# KiCad board AICORS_PCB.kicad_pcb (continued)
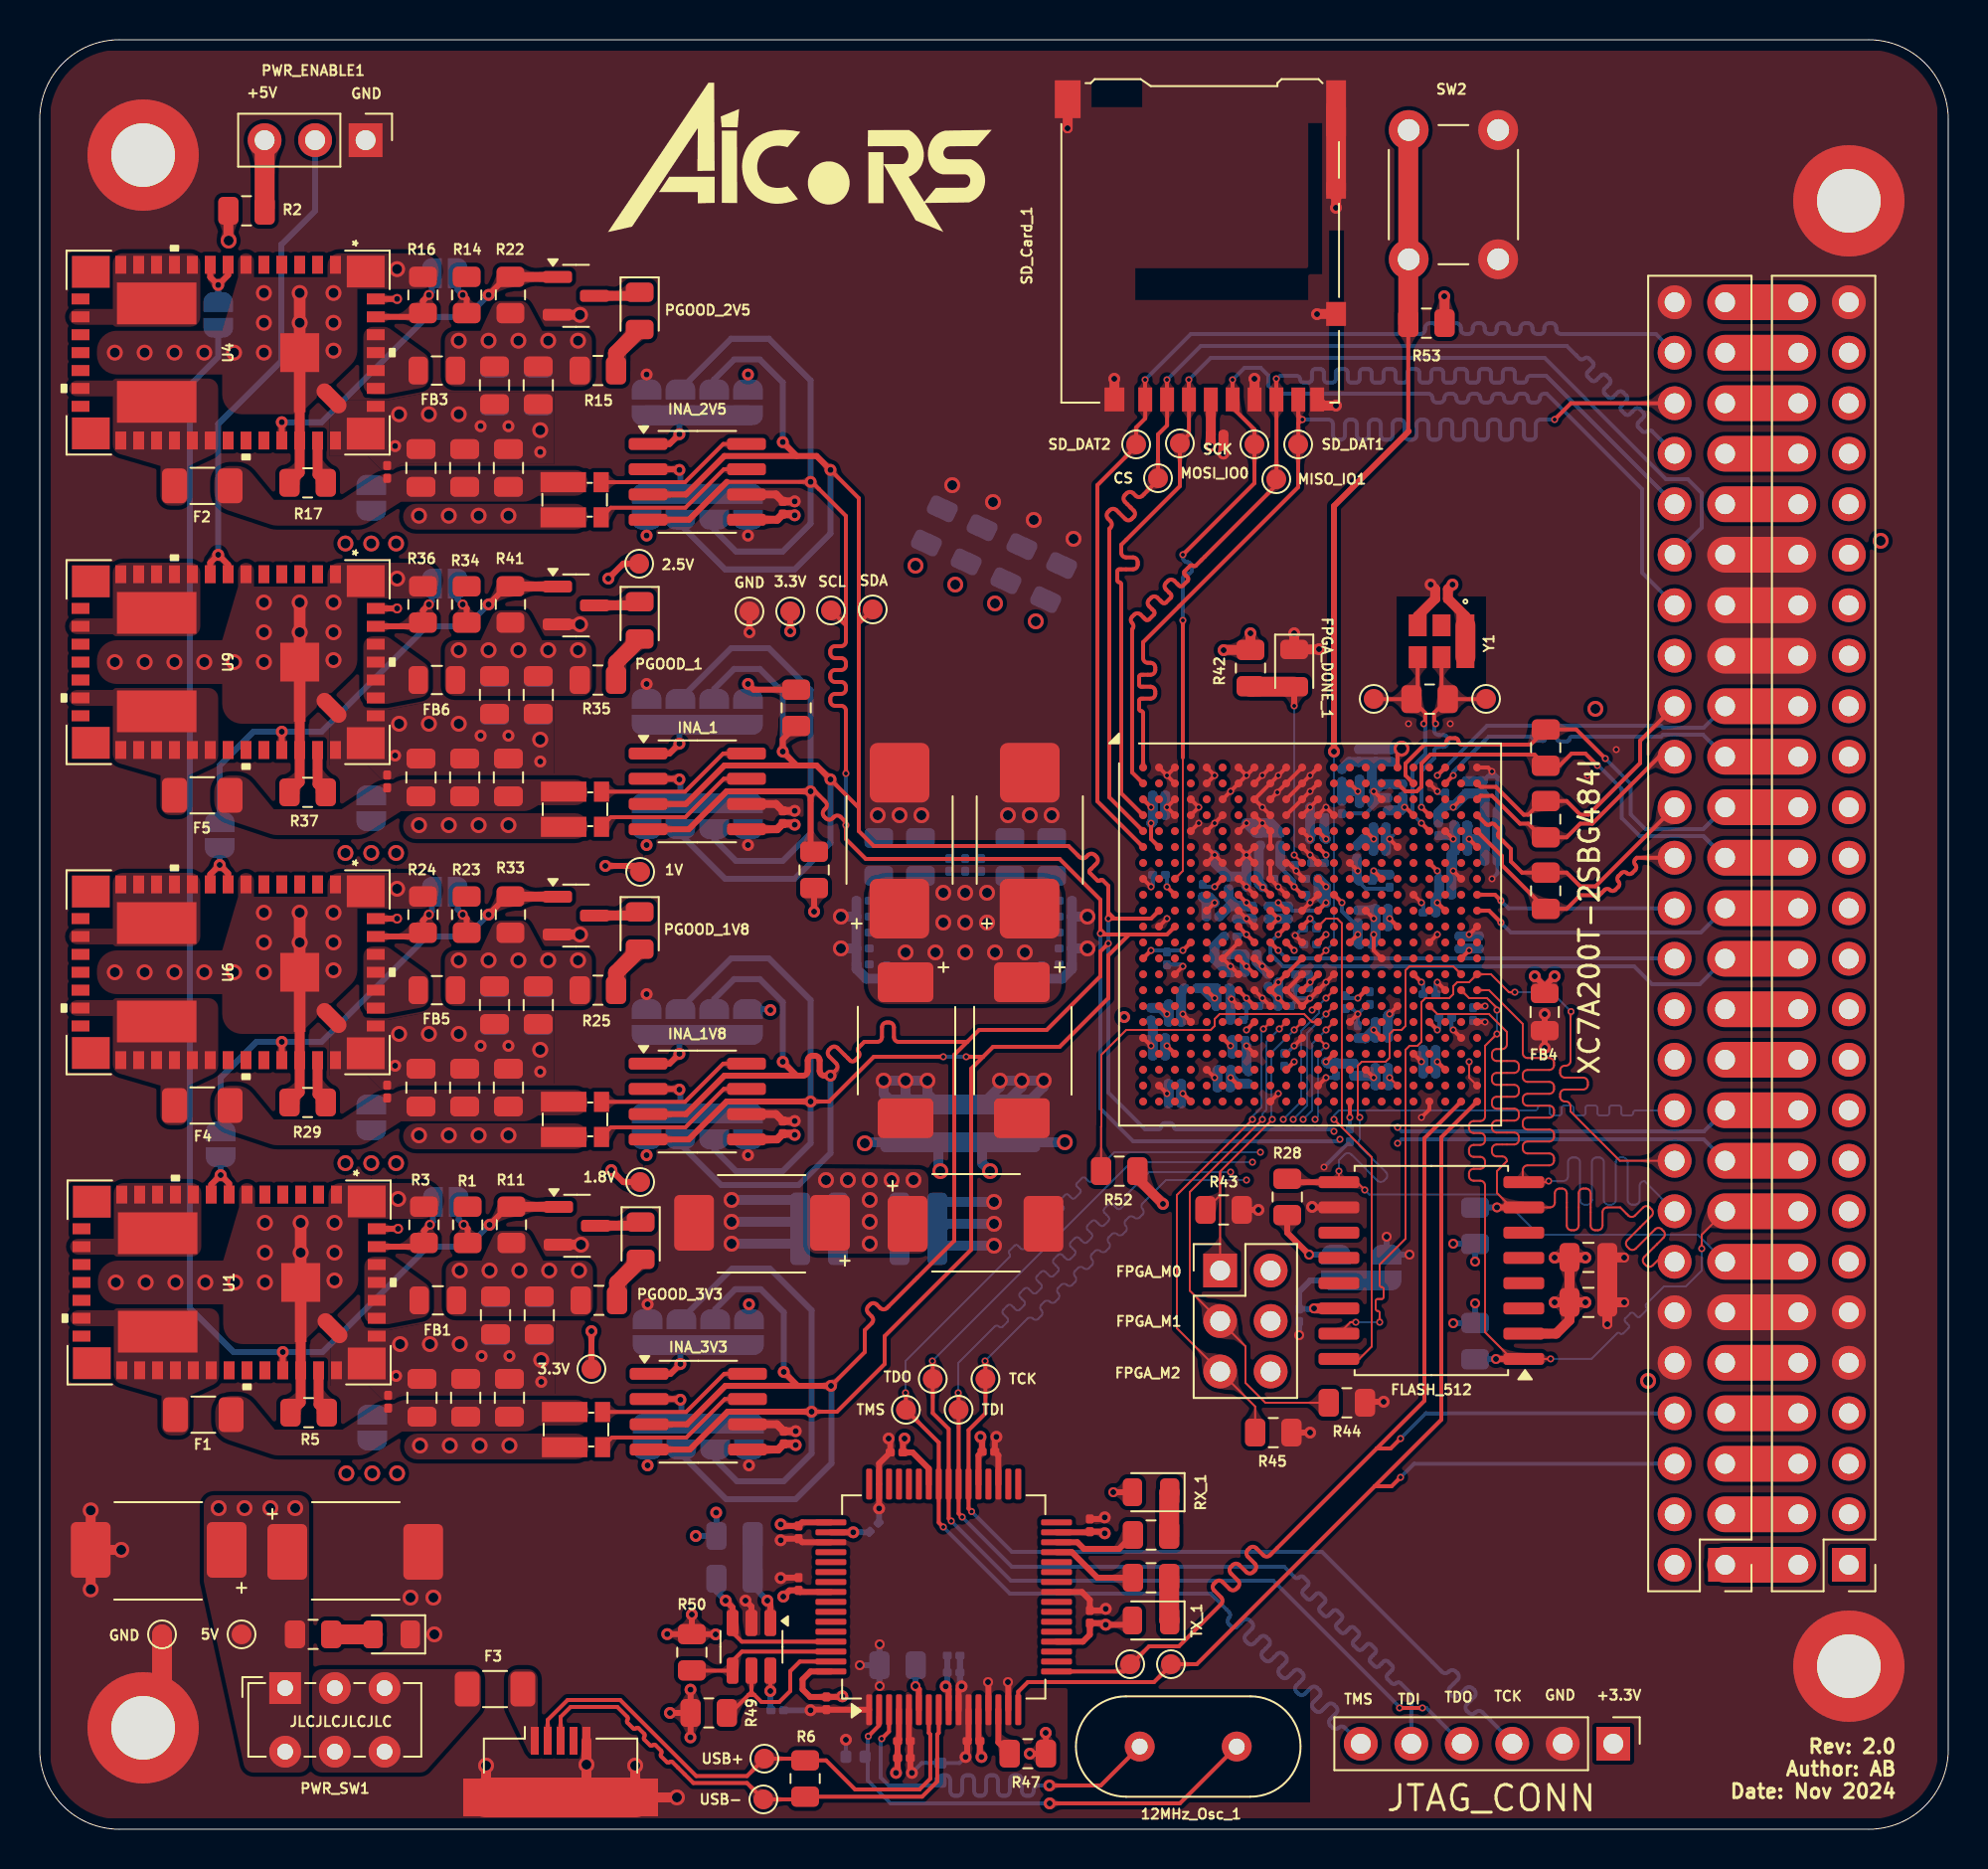
[diagram p0: board, top side]
## Routing (per net, layer and track width the routed paths; a pad name or vN(x,y) marks a point on that pad's centre or on a via; arc(x,y) is an arc through that point) (continued)
SPI_1_MISO_IO1: length 55.5
  Top w0.1: U3.R22 72.9,42.2 74.6,40.5 74.6,39.03 arc(74.67,38.86) 74.84,38.79 75.93,38.79 arc(76.1,38.72) 76.17,38.55 76.17,38.43 arc(76.1,38.26) 75.93,38.19 74.84,38.19 arc(74.67,38.12) 74.6,37.95 74.6,37.83 arc(74.67,37.66) 74.84,37.59 75.93,37.59 arc(76.1,37.52) 76.17,37.35 76.17,37.23 arc(76.1,37.06) 75.93,36.99 74.84,36.99 arc(74.67,36.92) 74.6,36.75 74.6,36.63 arc(74.67,36.46) 74.84,36.39 75.93,36.39 arc(76.1,36.32) 76.17,36.15 76.17,36.03 arc(76.1,35.86) 75.93,35.79 74.84,35.79 arc(74.67,35.72) 74.6,35.55 74.6,35.43 arc(74.67,35.26) 74.84,35.19 75.93,35.19 arc(76.1,35.12) 76.17,34.95 76.17,34.83 arc(76.1,34.66) 75.93,34.59 74.84,34.59 arc(74.67,34.52) 74.6,34.35 74.6,34.23 arc(74.67,34.06) 74.84,33.99 75.93,33.99 arc(76.1,33.92) 76.17,33.75 76.17,33.63 arc(76.1,33.46) 75.93,33.39 74.84,33.39 arc(74.67,33.32) 74.6,33.15 74.6,32.59 74.65,32.55 75.85,32.55 v1(75.9,32.6)
  In3.Cu w0.5: 82.25,31.08 83.52,32.35 89.75,32.35 91.02,31.08
  Bottom w0.1: J14.16 80.72,32.6 arc(80.55,32.53) 80.48,32.36 80.48,31.65 arc(80.4,31.48) 80.24,31.41 80.12,31.41 arc(79.95,31.48) 79.88,31.65 79.88,33.55 arc(79.8,33.72) 79.64,33.79 79.52,33.79 arc(79.35,33.72) 79.28,33.55 79.28,31.65 arc(79.2,31.48) 79.04,31.41 78.92,31.41 arc(78.75,31.48) 78.68,31.65 78.68,33.55 arc(78.6,33.72) 78.44,33.79 78.32,33.79 arc(78.15,33.72) 78.08,33.55 78.08,31.65 arc(78,31.48) 77.84,31.41 77.72,31.41 arc(77.55,31.48) 77.48,31.65 77.48,33.55 arc(77.4,33.72) 77.24,33.79 77.12,33.79 arc(76.95,33.72) 76.88,33.55 76.88,32.84 arc(76.8,32.67) 76.64,32.6 v1(75.9,32.6)
SPI_1_MOSI_IO0: length 53.3
  Top w0.1: v1(66.2,25.5) 65.93,25.5 FLASH_512.15 ; v1(74.2,42.1) 73.9,42.1 73,43 U3.P22 71.9,42.6 71.3,42.6 71.1,42.4 71.1,42 70.9,41.8 69.7,41.8 69.5,41.6 69.5,39.6 69.3,39.4 68.9,39.4 68.7,39.2 68.7,29.7 67.4,28.4 67.4,27.37 arc(67.43,27.3) 67.5,27.27 arc(67.57,27.24) 67.6,27.17 67.6,26.77 arc(67.57,26.7) 67.5,26.67 67.3,26.67 arc(67.23,26.64) 67.2,26.57 67.2,26.17 arc(67.23,26.1) 67.3,26.07 arc(67.37,26.04) 67.4,25.97 v1(67.4,25.5) ; J14.18 79.48,33.62 77,36.1 77,36.36 arc(76.93,36.53) 76.76,36.6 76.72,36.6 arc(76.55,36.67) 76.48,36.84 76.48,36.96 arc(76.55,37.13) 76.72,37.2 77.63,37.2 arc(77.8,37.27) 77.87,37.44 77.87,37.56 arc(77.8,37.73) 77.63,37.8 76.72,37.8 arc(76.55,37.87) 76.48,38.04 76.48,38.16 arc(76.55,38.33) 76.72,38.4 76.76,38.4 arc(76.93,38.47) 77,38.64 77,41.1 v1(77.03,41.13)
  In3.Cu w0.5: 82.22,33.6 83.52,34.9 89.68,34.9 90.98,33.6
  Bottom w0.1: v1(74.2,42.1) 76.05,42.1 v1(77.03,41.13) ; v1(67.4,25.5) v1(66.2,25.5)
SPI_1_SCK: length 56.1
  Top w0.1: 65.5,35.3 v1(65.1,35.7) ; 65.5,35.3 67,33.8 67,24.28 66.38,23.66 FLASH_512.16 ; 65.5,35.3 65.5,45.57 65.27,45.8 64.7,45.8 U3.L12
  In3.Cu w0.5: 91.02,36.18 89.75,37.45 83.52,37.45 82.25,36.18
  Bottom w0.1: J14.20 82.23,36.15 80.28,36.15 arc(80.19,36.11) 80.16,36.03 arc(80.12,35.94) 80.03,35.9 79.68,35.9 arc(79.59,35.94) 79.56,36.03 79.56,36.27 arc(79.52,36.36) 79.43,36.4 79.08,36.4 arc(78.99,36.36) 78.96,36.27 78.96,36.03 arc(78.92,35.94) 78.83,35.9 78.48,35.9 arc(78.39,35.94) 78.36,36.03 78.36,36.27 arc(78.32,36.36) 78.23,36.4 77.88,36.4 arc(77.79,36.36) 77.76,36.27 77.76,36.03 arc(77.72,35.94) 77.63,35.9 77.28,35.9 arc(77.19,35.94) 77.16,36.03 77.16,36.27 arc(77.12,36.36) 77.03,36.4 76.68,36.4 arc(76.59,36.36) 76.56,36.27 76.56,36.03 arc(76.52,35.94) 76.43,35.9 76.08,35.9 arc(75.99,35.94) 75.96,36.03 75.96,36.27 arc(75.92,36.36) 75.83,36.4 75.48,36.4 arc(75.39,36.36) 75.36,36.27 arc(75.32,36.19) 75.23,36.15 65.35,36.15 65.1,35.9 v1(65.1,35.7)
SPI_CS_N: length 24
  Top w0.2: CS_D_R1.1 75.56,51.71 74.88,51.03 74.64,51.03 73.24,52.43 72.48,52.43 U3.B22 ; CS_D_R1.1 76.8,51.71 77.49,51.03 77.91,51.03 80.5,53.62 80.5,54.75 J14.36 ; CS_D_R1.1 75.94,51.71
  In3.Cu w0.5: 82.22,56.52 83.45,57.75 89.75,57.75 90.98,56.52
SPI_CS_P: length 22.5
  Top w0.2: CS_D_R1.2 75.56,49.89 74.88,50.58 74.46,50.58 73.06,51.97 72.48,51.97 U3.C22 ; CS_D_R1.2 75.94,49.89 ; CS_D_R1.2 76.8,49.89 77.49,50.58 78.09,50.58 81.46,53.94 J14.34
  In3.Cu w0.5: 91.02,54 89.82,55.2 83.45,55.2 82.25,54
SPI_MISO_IO1_N: length 20.2
  Top w0.2: U3.A20 v1(70.3,53)
  Top w1.8: J14.35 J10.36
  Bottom w0.2: J14.35 83.7,55.4 81.65,55.4 81.55,55.5 72.8,55.5 v1(70.3,53)
SPI_MISO_IO1_P: length 20.2
  Top w0.2: v1(71.1,53) U3.B20
  Top w1.8: J10.34 J14.33
  Bottom w0.2: J14.33 83.66,55.05 81.65,55.05 81.55,54.95 77.07,54.95 arc(76.99,54.92) 76.96,54.84 arc(76.92,54.75) 76.84,54.72 76.44,54.72 arc(76.35,54.75) 76.32,54.84 76.32,55.05 arc(76.29,55.12) 76.22,55.15 75.82,55.15 arc(75.75,55.12) 75.72,55.05 75.72,54.84 arc(75.69,54.77) 75.61,54.73 75.23,54.73 arc(75.15,54.77) 75.12,54.84 arc(75.09,54.92) 75.01,54.95 72.89,54.95 71.1,53.16 v1(71.1,53)
SPI_MOSI_IO0_N: length 23.6
  Top w0.2: J14.32 78.26,47.43 77.49,47.43 76.8,48.11 MOSI_D_R1.1 74.56,48.11 74,48.67 74,49.3 73.38,49.92 arc(73.34,50.02) 73.38,50.12 arc(73.43,50.22) 73.38,50.32 73.16,50.54 arc(73.06,50.59) 72.96,50.54 arc(72.86,50.5) 72.76,50.54 U3.D22
  In3.Cu w0.5: 82.25,51.38 83.52,52.65 89.75,52.65 91.02,51.38
SPI_MOSI_IO0_P: length 23.6
  Top w0.2: J14.30 80.33,48.86 80.26,48.78 arc(80.2,48.65) 80.26,48.52 arc(80.31,48.38) 80.26,48.25 80.1,48.09 arc(79.97,48.04) 79.83,48.09 arc(79.7,48.15) 79.56,48.09 79.41,47.94 arc(79.35,47.8) 79.41,47.67 arc(79.46,47.53) 79.41,47.4 79.25,47.24 arc(79.12,47.19) 78.98,47.24 arc(78.85,47.3) 78.71,47.24 78.45,46.98 77.49,46.98 76.8,46.29 MOSI_D_R1.2 73.55,48.49 73.55,48.95 U3.E22
  In3.Cu w0.5: 90.98,48.83 89.66,50.15 83.54,50.15 82.22,48.83
SPI_SCK_N: length 27
  Top w0.2: v1(78.75,53.85) 77.29,55.31 SCK_D_R1.1 74.99,54.55 71.53,54.55 arc(71.41,54.6) 71.37,54.71 arc(71.32,54.83) 71.2,54.88 70.93,54.88 arc(70.81,54.83) 70.77,54.71 arc(70.72,54.6) 70.6,54.55 69.65,54.55 68.7,53.6 68.7,53 U3.B18
  Top w1.8: J14.31 J10.32
  Bottom w0.2: v1(78.75,53.85) 80.03,52.58 80.03,51.04 80.77,50.3 83.68,50.3 J14.31 83.68,50.31
SPI_SCK_P: length 26.8
  Top w0.2: v1(78.35,53.5) 77.75,54.1 77.05,54.1 76.44,53.49 SCK_D_R1.2 75.19,54.05 69.95,54.05 69.5,53.6 69.5,52.43 69.27,52.2 68.7,52.2 U3.B17
  Top w1.8: J10.30 J14.29
  Bottom w0.2: 83.68,49.96 J14.29 83.69,49.95 80.48,49.95 79.58,50.86 79.58,52.33 78.4,53.5 v1(78.35,53.5)
SYS_CLK_N: length 11.8
  Top w0.2: CLK_D_R1.1 70.14,56.15 70.14,55.68 v1(70.21,55.6) ; CLK_D_R1.1 72.74,56.84 TP2.1 ; CLK_D_R1.1 70.51,57.15 Y1.5 ; v1(69.5,51.4) U3.D19 69.9,51.01
  Bottom w0.2: v1(70.21,55.6) 70.14,55.53 70.14,55.27 arc(70.21,55.11) 70.38,55.03 70.6,55.03 arc(70.77,54.96) 70.84,54.79 70.84,54.67 arc(70.77,54.51) 70.6,54.43 70.38,54.43 arc(70.21,54.36) 70.14,54.19 70.14,53.87 69.51,53.24 69.51,51.7 69.5,51.69 v1(69.5,51.4)
SYS_CLK_P: length 12.2
  Top w0.2: Y1.4 69.31,57.15 CLK_D_R1.2 ; CLK_D_R1.2 69.69,56.15 69.69,55.68 v1(69.61,55.6) ; CLK_D_R1.2 68.7,56.54 ; CLK_D_R1.2 67.11,56.84 TP3.1 ; U3.E19 v1(69.5,50.6)
  Bottom w0.2: v1(69.61,55.6) 69.69,55.53 69.69,54.06 69.05,53.42 69.05,51.05 v1(69.5,50.6)
UART_1_RX: length 70.1
  Top w0.2: 67.25,19.15 69.65,21.55 69.65,34.75 U3.AB21 ; 67.25,19.15 61.97,13.87 61.88,13.78 arc(61.71,13.71) 61.54,13.78 61.19,14.14 arc(61.02,14.21) 60.85,14.14 60.77,14.05 arc(60.7,13.88) 60.77,13.71 61.12,13.36 arc(61.19,13.19) 61.12,13.02 61.04,12.94 arc(60.87,12.87) 60.7,12.94 60.34,13.29 arc(60.17,13.36) 60,13.29 59.92,13.2 arc(59.85,13.03) 59.92,12.86 60.27,12.51 arc(60.34,12.34) 60.27,12.17 60.19,12.09 arc(60.02,12.02) 59.85,12.09 59.49,12.44 arc(59.33,12.51) 59.16,12.44 59.07,12.36 arc(59,12.19) 59.07,12.02 59.42,11.66 arc(59.49,11.49) 59.42,11.32 57.3,9.2 55.8,9.2 54.54,7.94 U12.17 ; 67.25,19.15 67.95,19.15 v1(68.45,19.65)
  In3.Cu w0.5: 82.27,20.93 83.54,22.2 89.76,22.2 91.03,20.93
  Bottom w0.2: v1(68.45,19.65) 69.72,20.92 J14.8
UART_1_TX: length 70
  Top w0.2: 67.15,17.25 70.5,20.6 70.5,34.8 U3.AB22 ; 67.15,17.25 68,17.25 v1(68.45,17.7) ; 67.15,17.25 58.2,8.3 56.95,8.3 56.05,7.4 49.7,7.4 49.22,6.92 U12.16 49.23,6
  In3.Cu w0.5: J10.5 89.73,19.65 84.35,19.65 83.08,18.38 J14.6
  Bottom w0.2: v1(68.45,17.7) 69.13,18.38 J14.6
UART_2_RX: length 20
  Top w0.2: U3.J22 73.2,47 v1(73.5,46.7)
  In3.Cu w0.5: 82.25,46.33 83.52,47.6 89.75,47.6 91.02,46.33
  Bottom w0.2: v1(73.5,46.7) 73.88,46.32 J14.28
UART_2_TX: length 17.1
  Top w0.2: U3.K22 72.9,46.2 v1(73.5,45.6)
  Top w1.8: J14.27 J10.28
  Bottom w0.2: J14.27 83.56,45.1 74,45.1 v1(73.5,45.6)
USB_1V8: length 11.8
  Top w0.3: U12.49 38.35,15.44 C229.1 37.35,15.25 v2(37.27,15.34) ; U12.12 47.22,4.5 C218.1 47.29,3.72 v2(47.37,3.64) ; v2(40.37,6.69) 40.34,6.66 C219.1 38.75,6.66 38.37,7.03 38.37,7.53 38.77,7.94 U12.64 ; v2(47.32,19.73) 47.4,19.66 C217.1 47.22,18.81 U12.37
USB_DATA_N: length 27.1
  Top w0.2: U12.7 44.72,4.85 44.8,4.77 44.8,2.54 44.25,2 41.01,2 39.55,3.46 R6.2 38.5,3.55 TP7.1 35.58,2.68 33.02,2.68 29.2,6.5 26.55,6.5 25.55,5.5 J4.2
USB_DATA_P: length 27.1
  Top w0.2: J4.3 26.2,5.65 26.7,6.15 29.05,6.15 29.56,5.64 arc(29.59,5.57) 29.56,5.5 arc(29.53,5.43) 29.56,5.36 29.84,5.08 arc(29.91,5.05) 29.99,5.08 arc(30.06,5.11) 30.13,5.08 30.41,4.79 arc(30.44,4.72) 30.41,4.65 arc(30.38,4.58) 30.41,4.51 30.69,4.23 arc(30.76,4.2) 30.83,4.23 arc(30.9,4.26) 30.98,4.23 31.26,3.95 arc(31.29,3.87) 31.26,3.8 arc(31.23,3.73) 31.26,3.66 31.54,3.38 arc(31.61,3.35) 31.68,3.38 arc(31.75,3.41) 31.82,3.38 32.88,2.33 35.58,2.33 TP6.1 38.5,1.5 R6.1 44.39,1.64 45.15,2.4 45.15,4.77 45.22,4.85 U12.8
Net-(D3-A): length 2.1
  Top w1: D3.2 R18.1
Net-(EEPROM_1-CLK): length 7.9
  Top w0.2: EEPROM_1.4 32.81,7.97 R50.2 ; 34.85,7.8 34.85,8.46 35.32,8.94 U12.62
Net-(EEPROM_1-CS): length 8.5
  Top w0.2: 35.65,6.75 35.95,6.75 ; 35.65,6.75 34.75,5.85 R49.2 ; 35.65,6.75 35.8,6.9 ; 35.95,6.75 36.3,6.4 37.2,6.4 37.75,6.95 37.75,7.95 38.24,8.44 U12.63 ; 35.95,6.75 35.8,6.9 ; 35.8,7.8 35.8,6.9
Net-(EEPROM_1-DI): length 7.8
  Top w0.2: 34.85,10.2 34.85,9.9 35.32,9.44 U12.61
  Top w0.3: v2(34.5,11.5) 34.85,11.15 EEPROM_1.3
  Bottom w0.3: v2(34.5,11.5) 34.04,11.96 34.04,12.45
Net-(EEPROM_1-DO): length 4.9
  Top w0.3: v2(36.6,11.5) 36.75,11.35 EEPROM_1.1
  Bottom w0.2: 35.86,12.45 R54.1
  Bottom w0.3: R54.1 35.86,12.24 v2(36.6,11.5)
  Bottom w1: R48.2 R54.1
Net-(FLASH_512-VIO/RFU): length 7.5
  Top w0.5: v3(64.1,26.2) FLASH_512.14
  Bottom w0.3: JP8.1 63.9,27.6 63.35,27.05 C203.1 64.08,26.17 v3(64.1,26.2)
  Bottom w1: JP8.1 JP10.1
Net-(INA_1-A0): length 7.9
  Top w0.3: INA_1.2 32.14,52.84 v2(32.18,52.8)
  Bottom w0.3: A0_1.5 32.23,52.75 v2(32.18,52.8)
  Bottom w1: A0_1.5 A0_1.5
Net-(INA_1-A1): length 7.9
  Top w0.3: INA_1.1 31.68,54.11 v2(32.18,54.6)
  Bottom w0.3: v2(32.18,54.6) 32.18,55.5
  Bottom w0.4: 32.18,55.5 A1_1.5
  Bottom w1: A1_1.5 A1_1.5
Net-(INA_1-IN+): length 8.5
  Top w0.2: 35.18,54.11 35.55,54.11 34.38,54.11 32.46,52.19 28.24,52.19
Net-(INA_1-IN-): length 8.3
  Top w0.2: 28.24,50.42 28.72,50.9 32.48,50.9 34.41,52.84 35.55,52.84
Net-(INA_1V8-A0): length 7.9
  Top w0.3: v2(32.18,37.2) 32.14,37.24 INA_1V8.2
  Bottom w0.3: v2(32.18,37.2) 32.23,37.15 A0_2.5
  Bottom w1: A0_2.5 A0_2.5
Net-(INA_1V8-A1): length 7.9
  Top w0.3: v2(32.18,39) 31.68,38.51 INA_1V8.1
  Bottom w0.3: v2(32.18,39) 32.18,39.9
  Bottom w0.4: 32.18,39.9 A1_2.5
  Bottom w1: A1_2.5 A1_2.5
Net-(INA_1V8-IN+): length 8.5
  Top w0.2: 35.18,38.51 35.55,38.51 34.38,38.51 32.46,36.59 28.24,36.59
Net-(INA_1V8-IN-): length 8.3
  Top w0.2: 28.24,34.82 28.72,35.3 32.48,35.3 34.41,37.24 35.55,37.24
Net-(INA_2V5-A0): length 7.9
  Top w0.3: INA_2V5.2 32.14,68.4 v2(32.18,68.37)
  Bottom w0.3: v2(32.18,68.37) 32.23,68.32 A0_3.5
  Bottom w1: A0_3.5 A0_3.5
Net-(INA_2V5-A1): length 7.9
  Top w0.3: v2(32.18,70.17) 31.68,69.67 INA_2V5.1
  Bottom w0.3: v2(32.18,70.17) 32.18,71.07
  Bottom w0.4: 32.18,71.07 A1_3.5
  Bottom w1: A1_3.5 A1_3.5
Net-(INA_2V5-IN+): length 8.5
  Top w0.2: R21.2 32.46,67.75 34.38,69.67 35.55,69.67 35.18,69.67
Net-(INA_2V5-IN-): length 8.3
  Top w0.2: 35.55,68.4 34.41,68.4 32.48,66.47 28.72,66.47 R21.3
Net-(INA_3V3-A0): length 7.9
  Top w0.3: v2(32.23,21.6) 32.19,21.64 INA_3V3.2
  Bottom w0.3: A0_4.5 32.28,21.55 v2(32.23,21.6)
  Bottom w1: A0_4.5 A0_4.5
Net-(INA_3V3-A1): length 7.9
  Top w0.3: v2(32.23,23.4) 31.73,22.91 INA_3V3.1
  Bottom w0.3: v2(32.23,23.4) 32.23,24.3
  Bottom w0.4: 32.23,24.3 A1_4.5
  Bottom w1: A1_4.5 A1_4.5
Net-(INA_3V3-IN+): length 8.5
  Top w0.2: 28.29,20.99 32.51,20.99 34.43,22.91 INA_3V3.8 35.23,22.91
Net-(INA_3V3-IN-): length 8.3
  Top w0.2: 28.29,19.22 28.77,19.7 32.53,19.7 34.46,21.64 INA_3V3.7
Net-(JP1-A): length 4.7
  Top w0.3: U1.43 19.14,29.3 R3.2 19.33,30.1 v3(19.63,30.4)
  Bottom w0.3: 19.78,31.5 19.78,30.55 v3(19.63,30.4)
Net-(JP1-B): length 2.2
  Top w0.3: v3(21.33,30.4) 21.53,30.2 R1.2
  Bottom w0.3: 21.08,31.5 21.08,30.65 v3(21.33,30.4)
Net-(JP2-A):
  vias: v4(19.13,19.3) v4(20.63,19.3) v4(22.13,19.3) v4(23.63,19.3)
Net-(JP3-A): length 3.3
  Top w0.3: U4.9 8.58,78.07 v2(8.98,77.67) 9.48,78.17 U4.8
  Bottom w0.3: v2(8.98,77.67) JP3.1
Net-(JP4-A): length 4.7
  Top w0.3: U4.43 19.09,76.07 R16.2 19.28,76.87 v3(19.58,77.17)
  Bottom w0.3: JP4.1 19.73,77.32 v3(19.58,77.17)
Net-(JP4-B): length 2.2
  Top w0.3: v3(21.28,77.17) 21.48,76.97 R14.2
  Bottom w0.3: v3(21.28,77.17) 21.03,77.42 JP4.2
Net-(JP5-A):
  vias: v4(19.08,66.07) v4(20.58,66.07) v4(22.08,66.07) v4(23.58,66.07)
Net-(JP6-A): length 3.2
  Top w0.3: U6.9 8.58,48.03 v2(9.05,48.5) 9.48,48.07 U6.8
  Bottom w0.3: v2(9.05,48.5) JP6.1
Net-(JP7-A): length 4.7
  Top w0.3: U6.43 19.09,44.9 R24.2 19.28,45.7 v3(19.58,46)
  Bottom w0.3: v3(19.58,46) 19.73,46.15 19.73,47.1
Net-(JP7-B): length 2.2
  Top w0.3: v3(21.28,46) 21.48,45.8 R23.2
  Bottom w0.3: 21.03,47.1 21.03,46.25 v3(21.28,46)
Net-(JP11-A):
  vias: v4(19.08,34.9) v4(20.58,34.9) v4(22.08,34.9) v4(23.58,34.9)
Net-(JP12-A): length 3.2
  Top w0.3: U1.9 8.63,32.43 v2(9.1,32.9) 9.53,32.47 U1.8
  Bottom w0.3: JP12.1 v2(9.1,32.9)
Net-(JP13-A): length 4.7
  Top w0.3: v3(19.58,61.6) 19.28,61.3 R36.2 19.09,60.5 U9.43
  Bottom w0.3: v3(19.58,61.6) 19.73,61.75 19.73,62.7
Net-(JP13-B): length 2.2
  Top w0.3: v3(21.28,61.6) 21.48,61.4 R34.2
  Bottom w0.3: v3(21.28,61.6) 21.03,61.85 21.03,62.7
Net-(JP14-A):
  vias: v4(19.08,50.5) v4(20.58,50.5) v4(22.08,50.5) v4(23.58,50.5)
Net-(PGOOD_1-A): length 2.6
  Top w0.8: R35.1 28.99,58.68 PGOOD_1.2
Net-(PGOOD_1-K): length 2.3
  Top w0.5: 27.91,61.56 29.99,61.56 PGOOD_1.1
Net-(PGOOD_1V8-A): length 2.6
  Top w0.8: PGOOD_1V8.2 28.99,43.08 R25.1
Net-(PGOOD_1V8-K): length 2.3
  Top w0.5: PGOOD_1V8.1 29.99,45.96 27.91,45.96
Net-(PGOOD_2V5-A): length 2.6
  Top w0.8: R15.1 28.99,74.24 PGOOD_2V5.2
Net-(PGOOD_2V5-K): length 2.3
  Top w0.5: PGOOD_2V5.1 29.99,77.12 Q2.3
Net-(PGOOD_3V3-A): length 2.6
  Top w0.8: R4.1 29.04,27.48 PGOOD_3V3.2
Net-(PGOOD_3V3-K): length 2.3
  Top w0.5: 27.96,30.36 30.04,30.36 PGOOD_3V3.1
Net-(PWR_ENABLE1-Pin_3): length 3.4
  Top w1: 11.31,81.6 11.31,84.95 PWR_ENABLE1.3
Net-(RX_1-K): length 2.2
  Top w1: R_RX1.1 56.81,16.93 RX_1.1
Net-(TX_1-K): length 2.2
  Top w1: R_TX1.1 56.81,10.53 TX_1.1
Net-(U1-RT/CLK): length 2.3
  Top w0.5: 14.44,20.95 14.02,21.36 U1.35
Net-(U3F-INIT_B_0): length 18
  Top w0.1: R52.2 53.39,35.34 53.4,35.35 53.4,38.95 54.65,40.2 58.9,40.2 59.1,40.4 59.1,40.75 59.35,41 63.6,41 64,40.6 U3.U12
Net-(U3F-PROGRAM_B_0): length 43.6
  Top w0.1: U3.N12 v1(64.7,44.2)
  Top w0.2: R53.2 68.84,70.33 68.86,70.31
  Top w0.3: v2(65.1,54.2) 65.1,66.55 68.86,70.31
  Top w1: R53.2 68.84,85.44 SW2.1
  Bottom w0.1: v2(65.1,54.2) 65.1,44.6 v1(64.7,44.2)
Net-(U4-RT/CLK): length 2.3
  Top w0.5: R17.2 13.97,68.13 U4.35
Net-(U6-RT/CLK): length 2.3
  Top w0.5: 14.39,36.55 13.97,36.96 U6.35
Net-(U9-RT/CLK): length 2.3
  Top w0.5: U9.35 13.97,52.56 14.39,52.15
Net-(U12-ACBUS3): length 4.4
  Top w0.3: U12.29 51.92,13.94 53.2,12.65 R_TX1.2
Net-(U12-ACBUS4): length 4.3
  Top w0.3: R_RX1.2 54.29,14.1 52.53,14.1 52.19,14.44 U12.30
Net-(U12-OSCI): length 24
  Top w0.2: v1(41.68,4.68) 42.22,5.22 U12.2 ; v2(50.8,1.3) 57.35,1.3 12MHz_Osc_1.2
  Bottom w0.2: v1(41.68,4.68) 41.65,4.65 41.65,2.45 42.8,1.3 v2(50.8,1.3)
Net-(U12-OSCO): length 24
  Top w0.2: U12.3 42.72,4.92 v1(42.35,4.55) ; 12MHz_Osc_1.1 53.37,2.2 v2(50.79,2.2)
  Bottom w0.2: v2(50.79,2.2) 50.24,2.2 arc(50.07,2.13) 50,1.96 50,1.92 arc(49.93,1.75) 49.76,1.68 49.64,1.68 arc(49.47,1.75) 49.4,1.92 49.4,2.48 arc(49.33,2.65) 49.16,2.72 49.04,2.72 arc(48.87,2.65) 48.8,2.48 48.8,1.92 arc(48.73,1.75) 48.56,1.68 48.44,1.68 arc(48.27,1.75) 48.2,1.92 48.2,2.48 arc(48.13,2.65) 47.96,2.72 47.84,2.72 arc(47.67,2.65) 47.6,2.48 47.6,1.92 arc(47.53,1.75) 47.36,1.68 47.24,1.68 arc(47.07,1.75) 47,1.92 47,2.48 arc(46.93,2.65) 46.76,2.72 46.64,2.72 arc(46.47,2.65) 46.4,2.48 46.4,1.92 arc(46.33,1.75) 46.16,1.68 46.04,1.68 arc(45.87,1.75) 45.8,1.92 45.8,2.48 arc(45.73,2.65) 45.56,2.72 45.44,2.72 arc(45.27,2.65) 45.2,2.48 45.2,2.44 arc(45.13,2.27) 44.96,2.2 42.7,2.2 42.3,2.6 42.3,4.5 v1(42.35,4.55)
Net-(U12-REF): length 2.3
  Top w0.3: U12.6 44.22,7.03 v3(44.05,7.2)
  Bottom w0.3: R46.2 44.05,8.24 v3(44.05,7.2)
Net-(U12-~{RESET}): length 2.4
  Top w0.3: U12.14 48.22,4.37 R47.1

## Copper pours and planes (outline as drawn; the poured copper is in the pictures)
+1.8V on Top: 38.6,33.25 44.7,33.2 44.7,28.95 38.6,28.95
+1.8V on Bottom: 17.53,35.65 17.53,34.75 18.43,34 18.43,33 14.88,33 14.88,34 15.83,34.75 15.83,35.65
+1.8V on Bottom: 44.1,33 44.1,28.1 39.3,28.1 39.3,33
+1.8V on In3.Cu: 38.55,33 40.02,28.95 43.42,28.95 44.9,33
+1.8V on In3.Cu: 63.1,44.2 61.5,44.2 61.5,46.6 63.1,46.6
+1.8V on In3.Cu: 63.9,43 63.5,43 63.1,42.55 63.1,41 63.9,41
+1.8V on In3.Cu: 68.7,36.2 55.1,36.2 55.1,42.6 59.9,42.6 59.9,41 63.9,41 63.9,50.6 64.8,50.6 66.3,47.8 66.3,41 68.7,41
+1.8V on In3.Cu: 14.85,33 68.7,33 68.7,36.2 14.85,36.2
+2.5V on Bottom: 17.53,66.82 17.53,65.92 18.43,65.17 18.43,64.17 14.88,64.17 14.88,65.17 15.83,65.92 15.83,66.82
+2.5V on Bottom: 43.1,63.7 44.2,65.75 51.8,62.15 50.6,59.7 42.95,63.35
+2.5V on In3.Cu: 14.85,65.2 42.95,65.2 65.5,54.95 65.5,52.65 42.95,62.55 14.8,62.55
+2.5V on In3.Cu: 72.7,49 65.5,49 65.5,54.95 72.7,54.95
+3.3V on Bottom: 17.58,20.05 17.58,19.15 18.48,18.4 18.48,17.4 14.93,17.4 14.93,18.4 15.88,19.15 15.88,20.05
+3.3V on In2.Cu: 96,0 0,0 0,90 96,90
+5V on Top: 27.83,28.6 25.33,28.6 24.53,30.1 22.93,30.1 22.23,28.6 20.43,28.6 20.43,25.8 27.83,25.8
+5V on Top: 27.78,59.8 25.28,59.8 24.48,61.3 22.88,61.3 22.18,59.8 20.38,59.8 20.38,57 27.78,57
+5V on Top: 13.55,16.8 13.55,2.85 10.35,2.85 8.25,12.45 8.25,16.8
+5V on Top: 27.78,75.37 25.28,75.37 24.48,76.87 22.88,76.87 22.18,75.37 20.38,75.37 20.38,72.57 27.78,72.57
+5V on Top: 27.78,44.2 25.28,44.2 24.48,45.7 22.88,45.7 22.18,44.2 20.38,44.2 20.38,41.4 27.78,41.4
+5V on Bottom: 27.78,44.2 27.78,41.4 20.38,41.4 20.38,44.2
+5V on Bottom: 27.78,59.8 27.78,57 20.38,57 20.38,59.8
+5V on Bottom: 27.78,75.37 27.78,72.57 20.38,72.57 20.38,75.37
+5V on Bottom: 27.83,28.6 27.83,25.8 20.43,25.8 20.43,28.6
+5V on In3.Cu: 27.75,72.55 14.65,72.55 14.65,77.95 27.75,77.95
+5V on In3.Cu: 27.8,25.8 14.65,25.8 14.65,31.2 27.8,31.2
+5V on In3.Cu: 27.75,57 14.65,57 14.65,62.4 27.75,62.4
+5V on In3.Cu: 14.65,15.6 5.9,15.6 5.9,80.85 14.65,80.85
+5V on In3.Cu: 27.75,41.4 14.65,41.4 14.65,46.8 27.75,46.8
AGND on In4.Cu: 63.2,46.6 61.5,46.6 61.5,43 79.8,43 80.8,42.1 85.7,42.1 85.7,45.4 80.8,45.4 79.8,44.3 63.2,44.3
AGND on In4.Cu: 76.7,43 76.7,41.5 74.7,41.5 74.7,43
AGND_1 on Top: 20.13,30.7 16.03,30.7 16.03,27.2 13.13,24.4 9.23,24.4 9.23,26.4 2.93,26.4 2.93,28.6 9.23,28.6 10.03,31.3 10.03,32.5 10.83,32.5 10.83,31.3 14.53,31.3 14.53,32.5 20.13,32.5
AGND_1 on In1.Cu: 20.13,32.51 1.43,32.51 1.43,26.21 16.03,26.11 16.03,30.71 20.13,30.71
AGND_2 on Top: 20.08,46.3 15.98,46.3 15.98,42.8 13.08,40 9.18,40 9.18,42 2.88,42 2.88,44.2 9.18,44.2 9.98,46.9 9.98,48.1 10.78,48.1 10.78,46.9 14.48,46.9 14.48,48.1 20.08,48.1
AGND_2 on In1.Cu: 20.08,48.11 1.38,48.11 1.38,41.81 15.98,41.71 15.98,46.31 20.08,46.31
AGND_3 on Top: 20.08,77.47 15.98,77.47 15.98,73.97 13.08,71.17 9.18,71.17 9.18,73.17 2.88,73.17 2.88,75.37 9.18,75.37 9.98,78.07 9.98,79.27 10.78,79.27 10.78,78.07 14.48,78.07 14.48,79.27 20.08,79.27
AGND_3 on In1.Cu: 20.08,79.27 1.38,79.27 1.38,72.97 15.98,72.87 15.98,77.47 20.08,77.47
AGND_4 on Top: 20.08,61.9 15.98,61.9 15.98,58.4 13.08,55.6 9.18,55.6 9.18,57.6 2.88,57.6 2.88,59.8 9.18,59.8 9.98,62.5 9.98,63.7 10.78,63.7 10.78,62.5 14.48,62.5 14.48,63.7 20.08,63.7
AGND_4 on In1.Cu: 20.08,63.71 1.38,63.71 1.38,57.41 15.98,57.31 15.98,61.91 20.08,61.91
GND on Top: 25.88,72.27 19.58,72.27 17.48,71.87 15.48,71.87 14.58,71.07 14.58,69.07 16.48,69.07 17.18,68.37 17.78,68.37 18.18,68.67 25.88,68.67
GND on Top: 44.85,54.75 44.85,50.55 41.65,50.55 41.65,54.75
GND on Top: 25.88,41.1 19.58,41.1 17.48,40.7 15.48,40.7 14.58,39.9 14.58,37.9 16.48,37.9 17.18,37.2 17.78,37.2 18.18,37.5 25.88,37.5
GND on Top: 51.4,54.75 51.4,50.55 48.2,50.55 48.2,54.75
GND on Top: 31.8,32.15 35.25,32.15 35.25,28.95 31.8,28.95
GND on Top: 51.65,28.85 47.4,28.85 47.4,32.05 51.65,32.05
GND on Top: 41.95,34.65 41.95,38.1 45.15,38.1 45.15,34.65
GND on Top: 47.8,34.65 47.8,38.1 51,38.1 51,34.65
GND on Top: 20.4,15.45 20.4,9 18.05,9 18.05,15.45
GND on Top: 25.93,25.5 19.63,25.5 17.53,25.1 15.53,25.1 14.63,24.3 14.63,22.3 16.53,22.3 17.23,21.6 17.83,21.6 18.23,21.9 25.93,21.9
GND on Top: 25.88,56.7 19.58,56.7 17.48,56.3 15.48,56.3 14.58,55.5 14.58,53.5 16.48,53.5 17.18,52.8 17.78,52.8 18.18,53.1 25.88,53.1
GND on Top, Bottom: 96,0 0,0 0,90 96,90
GND on Bottom: 25.88,41.1 19.58,41.1 17.48,40.7 16.98,40.7 16.98,37.5 25.88,37.5
GND on Bottom: 51.6,49.3 47.6,48.6 45.5,48.6 41.5,49.3 41.5,51.5 51.6,51.5
GND on Bottom: 44.4,66.1 45.5,68.5 53.05,65.1 51.9,62.55
GND on Bottom: 25.88,56.7 19.58,56.7 17.48,56.3 16.98,56.3 16.98,53.1 25.88,53.1
GND on Bottom: 25.93,25.5 19.63,25.5 17.53,25.1 17.03,25.1 17.03,21.9 25.93,21.9
GND on Bottom: 25.88,72.27 19.58,72.27 17.48,71.87 16.98,71.87 16.98,68.67 25.88,68.67
GND on In1.Cu, In4.Cu: 96,0 0,0 0,90 96,90
VCCINT on Top: 51.4,47.9 41.65,47.9 41.65,41.5 51.4,41.5
VCCINT on Bottom: 51.5,48.4 41.5,48.4 41.5,43.2 51.5,43.2
VCCINT on Bottom: 17.53,51.25 17.53,50.35 18.43,49.6 18.43,48.6 14.88,48.6 14.88,49.6 15.83,50.35 15.83,51.25
VCCINT on In3.Cu: 51.45,48.2 51.45,42.9 41.6,42.9 41.6,48.2
VCCINT on In3.Cu: 14.85,48.2 63.9,48.2 63.9,49.95 14.85,49.95
VCCINT on In3.Cu: 63.9,41 59.9,41 59.9,48.2 63.9,48.2
USB_1V8 on In3.Cu: 54.42,3.09 54.42,20.59 36.42,20.59 36.42,3.09
Net-(C30-Pad1) on Top: 27.63,21.6 18.23,21.6 17.83,21.4 17.23,21.4 15.23,20.1 11.83,20.1 10.43,21.8 8.83,21.8 8.83,19.8 11.83,18.8 16.33,18.8 18.23,20 24.63,20 25.13,20.3 27.63,20.3
Net-(C117-Pad1) on Top: 27.58,68.37 18.18,68.37 17.78,68.17 17.18,68.17 15.18,66.87 11.78,66.87 10.38,68.57 8.78,68.57 8.78,66.57 11.78,65.57 16.28,65.57 18.18,66.77 24.58,66.77 25.08,67.07 27.58,67.07
Net-(C191-Pad1) on Top: 27.58,37.2 18.18,37.2 17.78,37 17.18,37 15.18,35.7 11.78,35.7 10.38,37.4 8.78,37.4 8.78,35.4 11.78,34.4 16.28,34.4 18.18,35.6 24.58,35.6 25.08,35.9 27.58,35.9
Net-(C205-Pad1) on Top: 27.58,52.8 18.18,52.8 17.78,52.6 17.18,52.6 15.18,51.3 11.78,51.3 10.38,53 8.78,53 8.78,51 11.78,50 16.28,50 18.18,51.2 24.58,51.2 25.08,51.5 27.58,51.5
Net-(F1-Pad1) on Top: 7.53,19.8 7.53,21.8 9.03,22.5 9.03,26.2 3.83,26.2 3.73,26.1 1.53,26.1 1.53,25.3 3.73,25.3 3.73,22.5 6.13,21.8 6.13,19.8
Net-(F2-Pad1) on Top: 7.48,66.57 7.48,68.57 8.98,69.27 8.98,72.97 3.78,72.97 3.68,72.87 1.48,72.87 1.48,72.07 3.68,72.07 3.68,69.27 6.08,68.57 6.08,66.57
Net-(F3-Pad1) on Top: 22.2,8.05 13.7,8.05 13.7,2.85 19.35,2.85 22.2,6.05
Net-(F4-Pad1) on Top: 7.48,35.4 7.48,37.4 8.98,38.1 8.98,41.8 3.78,41.8 3.68,41.7 1.48,41.7 1.48,40.9 3.68,40.9 3.68,38.1 6.08,37.4 6.08,35.4
Net-(F5-Pad1) on Top: 7.48,51 7.48,53 8.98,53.7 8.98,57.4 3.78,57.4 3.68,57.3 1.48,57.3 1.48,56.5 3.68,56.5 3.68,53.7 6.08,53 6.08,51
Net-(J4-VBUS) on Top: 25.05,3.75 25.05,8.05 23.55,8.05 23.55,6.05 24.65,3.75
Net-(JP2-A) on Top: 27.63,19.9 18.33,19.9 18.33,18.6 27.63,18.6
Net-(JP2-A) on Bottom: 24.53,21.4 24.53,18.6 18.33,18.6 18.33,20.3 15.83,20.3 15.83,21.4
Net-(JP5-A) on Top: 27.58,66.67 18.28,66.67 18.28,65.37 27.58,65.37
Net-(JP5-A) on Bottom: 24.48,68.17 24.48,65.37 18.28,65.37 18.28,67.07 15.78,67.07 15.78,68.17
Net-(JP11-A) on Top: 27.58,35.5 18.28,35.5 18.28,34.2 27.58,34.2
Net-(JP11-A) on Bottom: 24.48,37 24.48,34.2 18.28,34.2 18.28,35.9 15.78,35.9 15.78,37
Net-(JP14-A) on Top: 27.58,51.1 18.28,51.1 18.28,49.8 27.58,49.8
Net-(JP14-A) on Bottom: 24.48,52.6 24.48,49.8 18.28,49.8 18.28,51.5 15.78,51.5 15.78,52.6
Net-(U1-PH-Pad10) on Top: 8.13,28.8 3.83,28.8 3.73,28.9 1.53,28.9 1.53,29.7 3.73,29.7 3.73,32.5 8.13,32.5
Net-(U1-VIN) on Top: 19.63,27.3 17.53,28.8 16.33,28.8 16.33,25.4 17.53,25.4 19.63,25.8
Net-(U4-PH-Pad10) on Top: 8.08,75.57 3.78,75.57 3.68,75.67 1.48,75.67 1.48,76.47 3.68,76.47 3.68,79.27 8.08,79.27
Net-(U4-VIN) on Top: 19.58,74.07 17.48,75.57 16.28,75.57 16.28,72.17 17.48,72.17 19.58,72.57
Net-(U6-PH-Pad10) on Top: 8.08,44.4 3.78,44.4 3.68,44.5 1.48,44.5 1.48,45.3 3.68,45.3 3.68,48.1 8.08,48.1
Net-(U6-VIN) on Top: 19.58,42.9 17.48,44.4 16.28,44.4 16.28,41 17.48,41 19.58,41.4
Net-(U9-PH-Pad10) on Top: 8.08,60 3.78,60 3.68,60.1 1.48,60.1 1.48,60.9 3.68,60.9 3.68,63.7 8.08,63.7
Net-(U9-VIN) on Top: 19.58,58.5 17.48,60 16.28,60 16.28,56.6 17.48,56.6 19.58,57

Small or netless copper shapes (teardrops, artwork), in the pictures only: 756 on Top, 447 on Bottom, 18 on In2.Cu, 51 on In3.Cu, 14 on In4.Cu

## Text on the board
B.Silkscreen: TMS | GND | TDO | +5V | TX_2 | +1V | SCK_P | SCK_N | ADC_P | +1.8V | MISO_N | SPI_IO3 | SPI_IO2 | +2.5V | +3.3V | MISO_P | IIC_SCL | IIC_SDA | CS | TDI | TCK | SCK | CS_P | TX_1 | RX_2 | MOSI | MISO | CS_N | RX_1 | SD_CS | ADC_N | MOSI_P | MOSI_N | SD_SCK | SD_DAT1 | SD_MISO | SD_DAT2 | SD_MOSI | Designed in collaboration between / UNITBV Romania and UTM Moldova | 4 | 1
F.Silkscreen: +5V | JLCJLCJLCJLC | GND | FPGA_M2 | FPGA_M0 | FPGA_M1 | TMS | TDI | TDO | TCK | +3.3V | Rev: 2.0 / Author: AB / Date: Nov 2024
